# Altium PCB SPEC-A7.PcbDoc (part 9 of 10)
Units mm, origin at the board's own origin, x right, y up, seen from the top; angles counter-clockwise.
Board outline 160 x 100 mm, 6 copper layers (Top Layer, L2, L3, L4, L5, Bottom Layer), stack 1.61 mm thick; 746 components, 489 nets, 2774 pads, 1740 vias.
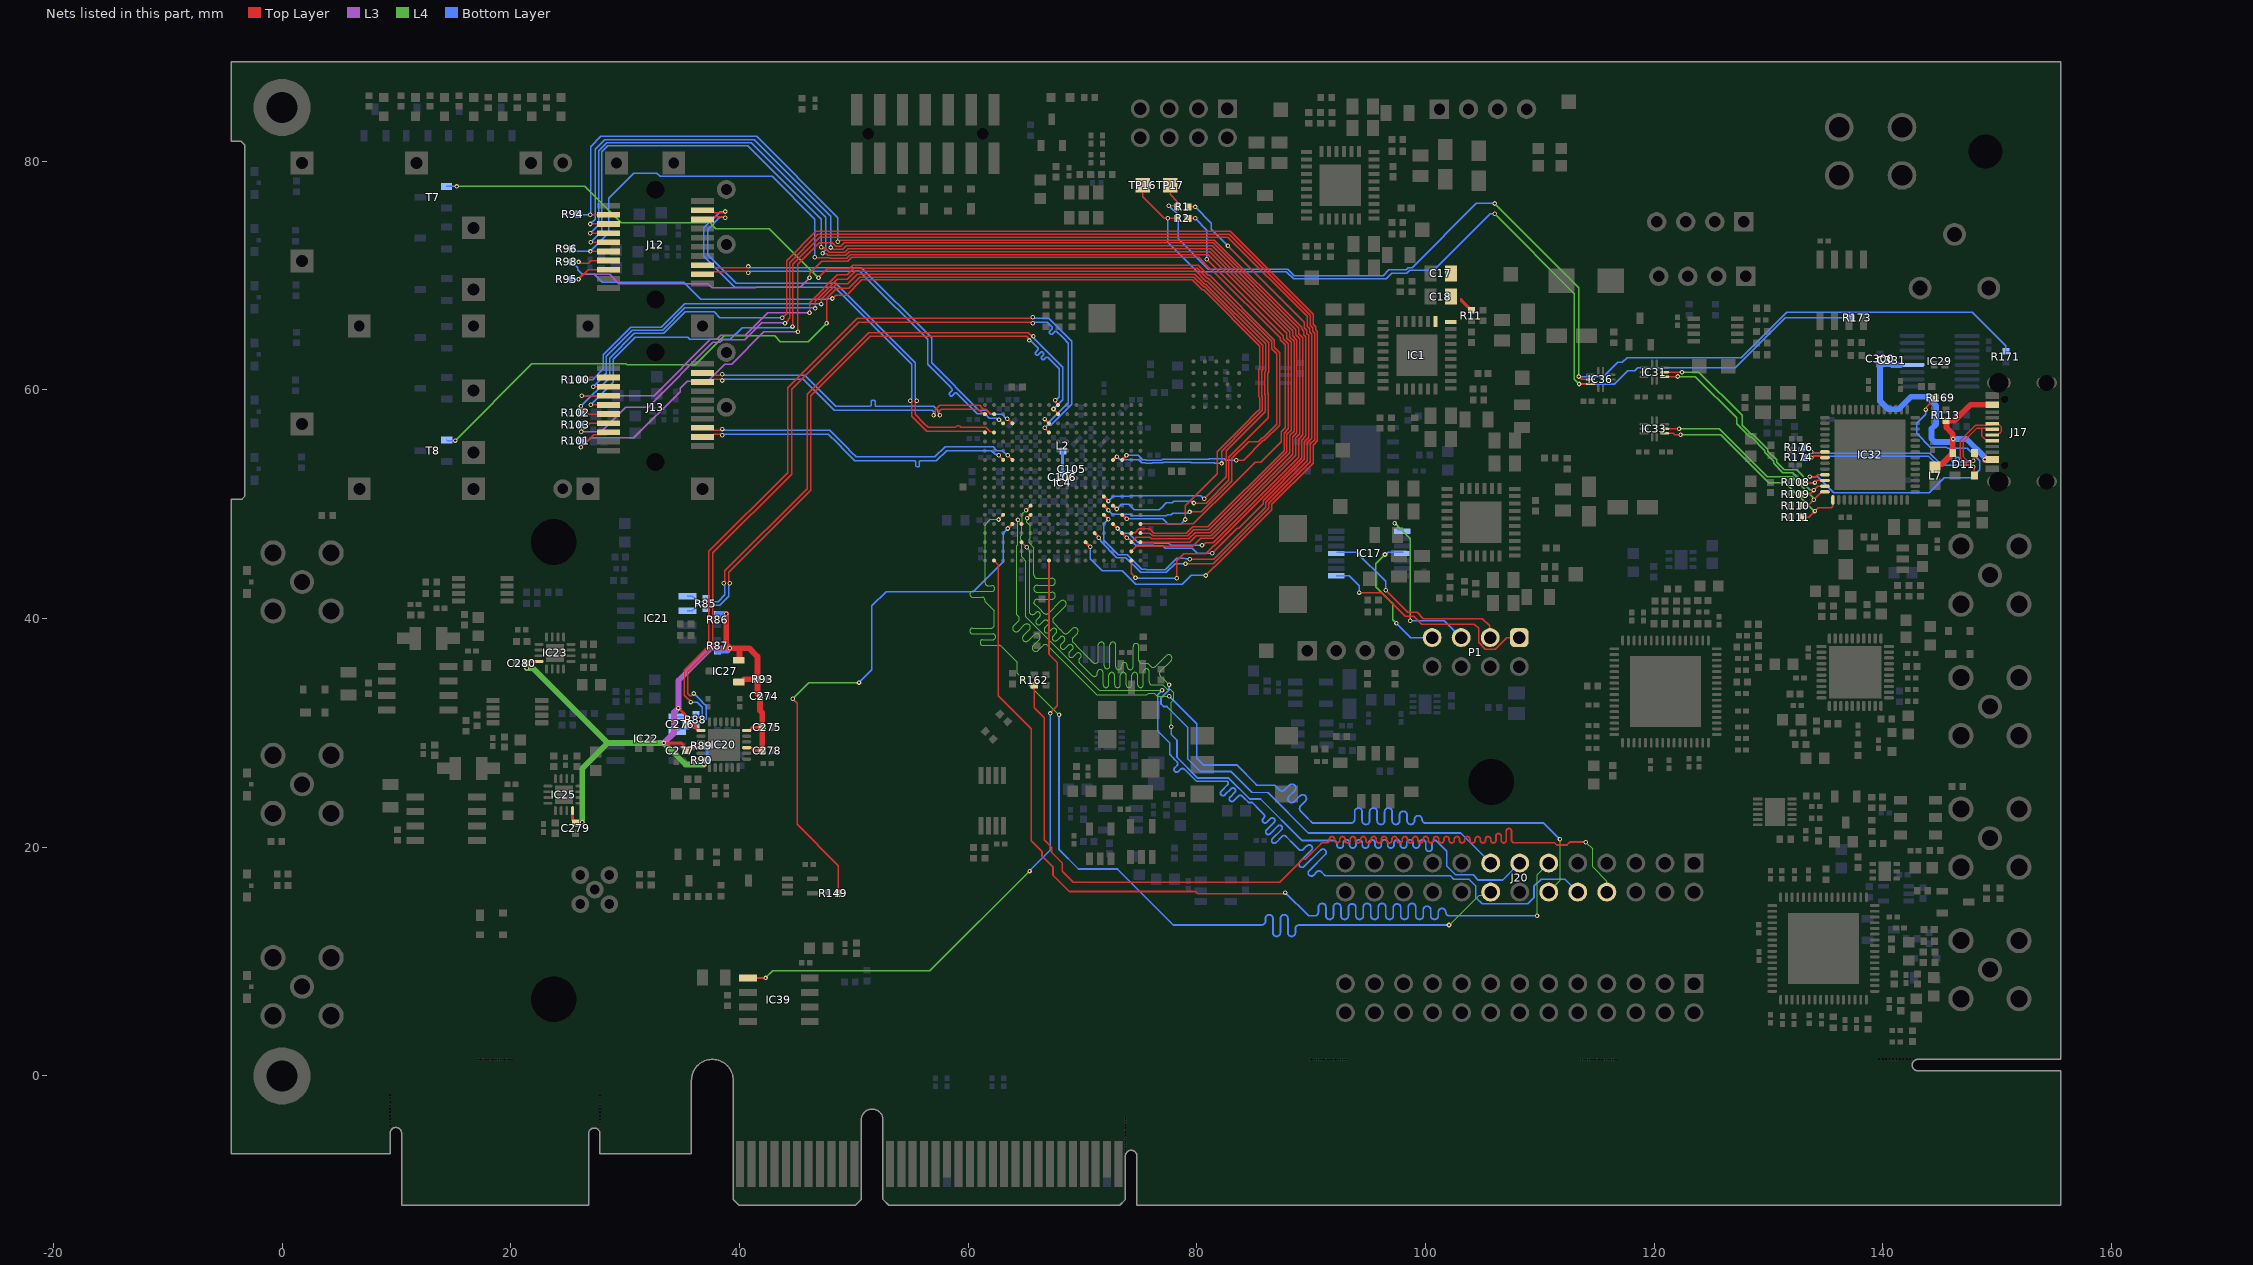
[diagram p13: the nets of this part, all layers, seen from the top]

## Via types
v1: diameter 0.4, hole 0.2, Top Layer to Bottom Layer, tented both sides, 1622 vias
v2: diameter 0.5, hole 0.2, Top Layer to Bottom Layer, tented both sides, 73 vias
v3: diameter 0.4, hole 0.2, Top Layer to Bottom Layer, 45 vias

## Nets (pads, with @x,y where several pads share a name; then routed paths per layer and width w, separated by ;. In a path a pad name is that pad's centre, name@x,y a point inside that pad or via, vN(x,y) a via of type N, cw(c..) or ccw(c..) an arc to the next point about the centre after c; other vN are vias at no path point) (continued)
RGMII_RXD3: J20.8 R162.2 | length 84.9
  Top Layer w0.155: R162.2@65.781,34.153 65.781,32.21 66.648,31.343 66.648,20.645 67.285,20.008 67.285,19.568 68.227,18.626 68.227,17.91 69.186,16.951 87.26,16.951 89.26,18.951 89.487,18.951 90.736,20.2 90.935,20.399 91.365,20.399 ccw(c91.365,20.626) 91.592,20.626 91.592,20.705 cw(c91.82,20.705) 92.047,20.705 92.047,20.611 ccw(c92.275,20.611) 92.502,20.611 92.502,20.705 cw(c92.73,20.705) 92.957,20.705 92.957,20.611 ccw(c93.185,20.611) 93.412,20.611 93.412,20.705 cw(c93.64,20.705) 93.867,20.705 93.867,20.611 ccw(c94.095,20.611) 94.322,20.611 94.322,20.705 cw(c94.55,20.705) 94.777,20.705 94.777,20.611 ccw(c95.005,20.611) 95.232,20.611 95.232,20.705 cw(c95.46,20.705) 95.687,20.705 95.687,20.611 ccw(c95.915,20.611) 96.142,20.611 96.142,20.705 cw(c96.37,20.705) 96.597,20.705 96.597,20.611 ccw(c96.825,20.611) 97.052,20.611 97.052,20.705 cw(c97.28,20.705) 97.507,20.705 97.507,20.611 ccw(c97.735,20.611) 97.962,20.611 97.962,20.705 cw(c98.19,20.705) 98.417,20.705 98.417,20.611 ccw(c98.645,20.611) 98.872,20.611 98.872,20.705 cw(c99.1,20.705) 99.327,20.705 99.327,20.611 ccw(c99.555,20.611) 99.782,20.611 99.782,20.705 cw(c100.01,20.705) 100.237,20.705 100.237,20.611 ccw(c100.465,20.611) 100.692,20.611 100.692,20.705 cw(c100.92,20.705) 101.147,20.705 101.147,20.611 ccw(c101.375,20.611) 101.602,20.611 101.602,20.705 cw(c101.83,20.705) 102.057,20.705 102.057,20.611 ccw(c102.285,20.611) 102.512,20.611 102.512,20.705 cw(c102.74,20.705) 102.967,20.705 102.967,20.611 ccw(c103.195,20.611) 103.422,20.611 103.422,20.705 cw(c103.65,20.705) 103.877,20.705 103.877,20.611 ccw(c104.105,20.611) 104.332,20.611 104.332,20.705 cw(c104.56,20.705) 104.787,20.705 104.787,20.611 ccw(c105.015,20.611) 105.242,20.611 105.242,20.705 cw(c105.47,20.705) 105.697,20.705 105.697,20.611 ccw(c105.925,20.611) 106.152,20.611 106.152,20.979 cw(c106.38,20.979) 106.607,20.979 106.607,20.611 ccw(c106.835,20.611) 107.062,20.611 107.062,21.42 cw(c107.29,21.42) 107.517,21.42 107.517,20.626 ccw(c107.745,20.626) 107.745,20.399 108.277,20.399 111.272,20.399 111.471,20.2 112.36,20.2 112.612,20.451 v1(114.005,20.451)
  L4 w0.105: v1(114.005,20.451) 114.6,19.857 114.6,18.3 115.851,17.049 J20.8@115.851,16.081
RGMII_TX_CLK: IC4.N3 J20.16 | length 91.1
  Top Layer w0.155: v1(62.655,48.666) IC4.N3@63.064,49.076
  L4 w0.105: v1(62.655,48.666) 61.916,48.666 61.473,48.224 61.473,43.853 61.473,43.133 ccw(c61.726,43.133) 61.726,42.88 62.074,42.88 cw(c62.074,42.628) 62.327,42.628 cw(c62.074,42.628) 62.074,42.375 60.399,42.375 ccw(c60.399,42.123) 60.147,42.123 ccw(c60.399,42.123) 60.399,41.87 61.221,41.87 cw(c61.221,41.618) 61.473,41.618 61.473,41.565 61.473,41.476 62.273,40.676 62.273,39.922 62.273,39.419 cw(c62.021,39.419) 62.021,39.167 60.392,39.167 ccw(c60.392,38.914) 60.392,38.662 62.142,38.662 cw(c62.142,38.409) 62.394,38.409 cw(c62.142,38.409) 62.142,38.157 61.294,38.157 ccw(c61.294,37.904) 61.042,37.904 ccw(c61.294,37.904) 61.294,37.652 62.631,37.652 cw(c62.631,37.221) 62.936,37.526 62.988,37.473 64.298,36.163 64.298,35.235 v1@67.941,31.592 ; v1(102.05,13.2) 104.675,15.826 105.436,15.826 J20.16@105.691,16.081
  Bottom Layer w0.155: v1(67.95,31.6) 67.95,19.8 69.65,18.1 73.05,18.1 77.95,13.2 84.6,13.2 85.666,13.2 ccw(c85.666,13.527) 85.994,13.527 85.994,13.769 cw(c86.321,13.769) 86.649,13.769 86.649,12.533 ccw(c86.976,12.533) 87.304,12.533 87.304,13.769 cw(c87.631,13.769) 87.959,13.769 87.959,12.533 ccw(c88.286,12.533) 88.614,12.533 88.614,12.872 cw(c88.941,12.872) 88.941,13.2 89.019,13.2 v1(102.05,13.2)
RGMII_TX_EN: IC4.N6 J20.15 | length 88.7
  Top Layer w0.155: v1(65.152,48.764) IC4.N6@65.464,49.076
  L4 w0.105: v1(65.152,48.764) 65.123,48.735 65.123,48.439 65.431,48.131 65.431,47.034 65.342,46.945 65.342,46.616 65.752,46.206 65.752,44.379 65.752,43.817 ccw(c66.054,43.817) 66.054,43.515 67.328,43.515 cw(c67.328,43.213) 67.631,43.213 cw(c67.328,43.212) 67.328,42.91 66.031,42.91 ccw(c66.031,42.608) 65.728,42.608 ccw(c66.031,42.607) 66.031,42.305 67.328,42.305 cw(c67.328,42.003) 67.631,42.003 cw(c67.328,42.002) 67.328,41.7 66.054,41.7 ccw(c66.054,41.398) 65.752,41.398 65.752,41.339 66.199,40.891 66.572,40.518 66.609,40.481 ccw(c66.823,40.695) 67.037,40.481 68.054,41.497 cw(c68.267,41.283) 68.481,41.497 cw(c68.267,41.283) 68.481,41.069 67.465,40.053 ccw(c67.679,39.839) 67.465,39.625 68.004,39.087 68.041,39.05 68.287,38.803 68.324,38.766 ccw(c68.538,38.98) 68.752,38.766 69.105,39.119 cw(c69.319,38.905) 69.533,39.119 cw(c69.319,38.905) 69.533,38.691 69.18,38.338 ccw(c69.394,38.124) 69.18,37.91 69.432,37.659 69.469,37.621 70.52,36.57 70.995,36.095 71.137,36.095 ccw(c71.137,36.348) 71.389,36.348 71.389,37.7 cw(c71.642,37.7) 71.642,37.953 cw(c71.642,37.7) 71.894,37.7 71.894,35.868 ccw(c72.147,35.868) 72.147,35.616 ccw(c72.147,35.868) 72.399,35.868 72.399,37.7 cw(c72.652,37.7) 72.652,37.953 cw(c72.652,37.7) 72.904,37.7 72.904,35.787 ccw(c73.157,35.787) 73.157,35.534 ccw(c73.157,35.787) 73.409,35.787 73.409,35.896 cw(c73.662,35.896) 73.662,36.148 cw(c73.662,35.896) 73.914,35.896 73.914,35.787 ccw(c74.167,35.787) 74.167,35.534 ccw(c74.167,35.787) 74.419,35.787 74.419,37.556 cw(c74.672,37.556) 74.672,37.809 cw(c74.672,37.556) 74.924,37.556 74.924,36.348 ccw(c75.177,36.348) 75.177,36.095 75.682,36.095 75.734,36.043 75.916,35.862 75.953,35.825 ccw(c76.167,36.039) 76.381,35.825 77.31,36.754 cw(c77.524,36.54) 77.738,36.754 cw(c77.524,36.54) 77.738,36.326 76.809,35.397 ccw(c77.023,35.183) 76.809,34.969 77.192,34.586 77.229,34.549 77.56,34.218 v1(77.568,34.218)
  Bottom Layer w0.155: v1(77.568,34.218) 77.568,33.767 76.916,33.116 76.871,33.071 76.871,32.525 77.088,32.307 77.376,32.307 79.21,30.473 79.21,27.716 80.261,26.666 80.306,26.62 83.009,26.62 84.768,24.861 84.811,24.818 86.17,24.776 86.231,24.774 89.754,21.252 103.06,21.252 J20.15@105.691,18.621
RGMII_TXD0: IC4.M6 J20.10 | length 93.2
  Top Layer w0.155: v1(65.064,49.476) IC4.M6@65.464,49.876
  L4 w0.105: v1(65.064,49.476) 64.739,49.151 64.739,48.096 64.666,48.023 64.666,47.306 64.616,47.256 64.616,46.942 64.666,46.891 64.666,45.389 65.056,45 65.056,40.146 71.467,33.735 72.795,33.735 72.797,33.734 74.659,33.734 74.66,33.735 76.946,33.735 v1(76.955,33.726)
  Bottom Layer w0.155: v1(76.955,33.726) 76.583,33.327 76.583,30.166 77.629,29.12 77.629,28.12 77.912,27.838 77.967,27.783 77.981,27.768 77.981,27.749 78.258,27.472 cw(c78.097,27.311) 78.258,27.15 78.066,26.959 ccw(c78.227,26.798) 78.066,26.637 ccw(c78.227,26.798) 78.388,26.637 78.58,26.829 cw(c78.741,26.668) 78.901,26.829 78.956,26.774 79.964,25.766 82.094,25.766 82.666,25.766 82.669,25.764 cw(c82.508,25.603) 82.669,25.442 82.125,24.898 ccw(c82.286,24.737) 82.125,24.576 ccw(c82.286,24.737) 82.447,24.576 82.991,25.12 cw(c83.151,24.959) 83.312,25.12 cw(c83.151,24.959) 83.312,24.799 82.901,24.387 ccw(c83.062,24.226) 82.901,24.065 ccw(c83.062,24.226) 83.223,24.065 83.634,24.477 cw(c83.795,24.316) 83.956,24.477 84.011,24.422 84.522,23.911 84.826,23.911 85.529,23.208 85.852,22.885 cw(c85.691,22.724) 85.852,22.563 85.799,22.511 ccw(c85.96,22.35) 85.799,22.189 ccw(c85.96,22.35) 86.121,22.189 86.432,22.5 cw(c86.593,22.339) 86.753,22.5 cw(c86.593,22.339) 86.753,22.178 86.08,21.505 ccw(c86.241,21.344) 86.08,21.184 ccw(c86.241,21.344) 86.402,21.184 87.075,21.856 cw(c87.236,21.696) 87.397,21.856 cw(c87.236,21.696) 87.397,21.535 86.604,20.742 ccw(c86.765,20.581) 86.604,20.421 ccw(c86.765,20.581) 86.926,20.421 87.46,20.955 cw(c87.621,20.794) 87.782,20.955 87.837,20.9 88.465,20.272 88.924,19.813 ccw(c89.12,20.009) 89.316,19.813 89.625,20.122 cw(c89.821,19.926) 90.017,20.122 cw(c89.821,19.926) 90.017,19.729 89.012,18.724 ccw(c89.208,18.528) 89.012,18.332 ccw(c89.208,18.528) 89.404,18.332 90.831,19.758 cw(c91.027,19.562) 91.223,19.758 cw(c91.027,19.562) 91.223,19.365 89.81,17.953 ccw(c90.006,17.756) 89.81,17.56 ccw(c90.006,17.756) 90.203,17.56 90.493,17.851 cw(c90.69,17.655) 90.886,17.851 90.941,17.796 91.237,17.5 102.179,17.5 102.479,17.201 103.799,17.201 104.388,16.612 104.388,15.605 104.942,15.051 108.929,15.051 109.473,15.594 109.473,16.575 110.098,17.2 112.191,17.2 J20.10@113.311,16.081
RGMII_TXD1: IC4.V2 J20.11 | length 96.5
  Top Layer w0.155: IC4.V2@62.264,45.076 62.264,45.049 62.628,44.685 62.628,33.245 65.52,30.352 65.52,20.558 66.467,19.612 66.467,19.229 67.409,18.287 67.409,17.572 68.848,16.133 79.906,16.133 80.095,15.943 87.574,15.943 87.667,16.036 v1(87.734,16.036)
  L4 w0.105: v1(109.75,14.005) 109.75,17.6 J20.11@110.771,18.621
  Bottom Layer w0.155: v1(87.734,16.036) 89.765,14.005 90.222,14.005 90.299,14.005 ccw(c90.299,14.333) 90.627,14.333 90.627,14.761 cw(c90.954,14.761) 91.282,14.761 91.282,14.021 ccw(c91.609,14.021) 91.937,14.021 91.937,14.761 cw(c92.264,14.761) 92.592,14.761 92.592,14.021 ccw(c92.919,14.021) 93.247,14.021 93.247,14.724 cw(c93.574,14.724) 93.902,14.724 93.902,14.021 ccw(c94.229,14.021) 94.557,14.021 94.557,14.761 cw(c94.884,14.761) 95.212,14.761 95.212,14.021 ccw(c95.539,14.021) 95.867,14.021 95.867,14.761 cw(c96.194,14.761) 96.522,14.761 96.522,14.021 ccw(c96.849,14.021) 97.177,14.021 97.177,14.724 cw(c97.504,14.724) 97.832,14.724 97.832,14.021 ccw(c98.159,14.021) 98.487,14.021 98.487,14.761 cw(c98.814,14.761) 99.142,14.761 99.142,14.021 ccw(c99.469,14.021) 99.797,14.021 99.797,14.521 cw(c100.124,14.521) 100.452,14.521 100.452,14.021 ccw(c100.779,14.021) 101.107,14.021 101.107,14.333 cw(c101.434,14.333) 101.762,14.333 ccw(c102.089,14.333) 102.089,14.005 102.635,14.005 v1(109.75,14.005)
RGMII_TXD2: IC4.P5 J20.12 | length 91.1
  Top Layer w0.155: v1(64.349,48.649) 64.349,48.62 64.664,48.305 IC4.P5@64.664,48.276
  L4 w0.105: v1(64.349,48.649) 64.349,46.452 64.26,46.363 64.26,43.319 64.241,43.3 64.241,42.976 64.26,42.957 64.26,42.308 64.243,42.291 64.243,40.554 64.243,40.351 64.395,40.2 cw(c64.181,39.986) 64.395,39.772 63.977,39.355 ccw(c64.191,39.141) 63.977,38.927 ccw(c64.191,39.141) 64.405,38.927 64.923,39.445 cw(c65.137,39.231) 65.351,39.445 cw(c65.137,39.231) 65.351,39.017 64.833,38.499 ccw(c65.047,38.285) 64.833,38.071 ccw(c65.047,38.285) 65.261,38.071 65.779,38.59 cw(c65.993,38.376) 66.207,38.59 cw(c65.993,38.376) 66.207,38.162 65.688,37.643 ccw(c65.902,37.429) 65.688,37.216 ccw(c65.902,37.429) 66.116,37.216 66.534,37.633 cw(c66.748,37.419) 66.961,37.633 66.999,37.596 71.261,33.334 75.631,33.334 75.776,33.479 76.269,33.479 76.544,33.204 77.576,33.204 v1(77.589,33.216) ; J20.12@110.771,16.081 111.786,17.096 111.786,20.663 v1(111.75,20.7)
  Bottom Layer w0.155: v1(77.589,33.216) 79.995,30.809 79.995,27.768 80.564,27.199 83.47,27.199 85.173,25.496 85.216,25.452 86.823,25.417 86.867,25.373 87.17,25.07 87.225,25.015 ccw(c87.456,25.247) 87.688,25.015 88.092,25.419 cw(c88.323,25.187) 88.555,25.419 cw(c88.323,25.187) 88.555,24.956 88.056,24.457 ccw(c88.288,24.226) 88.056,23.994 ccw(c88.288,24.226) 88.52,23.994 89.018,24.493 cw(c89.25,24.261) 89.481,24.493 cw(c89.25,24.261) 89.481,24.03 89.077,23.626 ccw(c89.309,23.394) 89.077,23.162 89.665,22.575 89.72,22.52 90.128,22.112 93.391,22.112 93.468,22.112 ccw(c93.468,22.439) 93.796,22.439 93.796,23.101 cw(c94.123,23.101) 94.451,23.101 94.451,22.321 ccw(c94.778,22.321) 95.106,22.321 95.106,23.101 cw(c95.433,23.101) 95.761,23.101 95.761,22.321 ccw(c96.088,22.321) 96.416,22.321 96.416,23.101 cw(c96.743,23.101) 97.071,23.101 97.071,22.321 ccw(c97.398,22.321) 97.726,22.321 97.726,22.819 cw(c98.053,22.819) 98.381,22.819 98.381,22.321 ccw(c98.708,22.321) 99.036,22.321 99.036,22.439 cw(c99.363,22.439) 99.691,22.439 ccw(c100.018,22.439) 100.018,22.112 100.485,22.112 110.338,22.112 v1(111.75,20.7)
RGMII_TXD3: IC4.T5 J20.13 | length 90
  Top Layer w0.155: IC4.T5@64.664,46.676 v1(65.109,46.231) v1@65.146,46.194
  L4 w0.105: v1(65.109,46.231) 65.397,45.943 65.397,40.468 65.408,40.457 65.445,40.42 ccw(c65.623,40.598) 65.802,40.42 65.894,40.511 cw(c66.072,40.333) 66.251,40.511 cw(c66.072,40.333) 66.251,40.154 65.992,39.895 ccw(c66.17,39.717) 65.992,39.538 ccw(c66.17,39.717) 66.349,39.538 66.608,39.797 cw(c66.786,39.619) 66.965,39.797 cw(c66.786,39.619) 66.965,39.44 66.706,39.181 ccw(c66.885,39.003) 66.706,38.824 ccw(c66.885,39.003) 67.063,38.824 67.322,39.083 cw(c67.501,38.904) 67.679,39.083 cw(c67.501,38.904) 67.679,38.726 67.42,38.467 ccw(c67.599,38.288) 67.42,38.11 ccw(c67.599,38.288) 67.777,38.11 68.036,38.369 cw(c68.215,38.19) 68.393,38.369 cw(c68.215,38.19) 68.393,38.012 68.134,37.753 ccw(c68.313,37.574) 68.134,37.396 ccw(c68.313,37.574) 68.491,37.396 68.75,37.655 cw(c68.929,37.476) 69.107,37.655 cw(c68.929,37.476) 69.107,37.298 68.848,37.039 ccw(c69.027,36.86) 68.848,36.682 ccw(c69.027,36.86) 69.206,36.682 69.45,36.926 cw(c69.629,36.748) 69.807,36.926 cw(c69.629,36.748) 69.807,36.569 69.73,36.492 ccw(c69.908,36.313) 69.73,36.135 69.951,35.914 69.988,35.877 70.731,35.133 70.857,35.007 ccw(c71.036,35.186) 71.289,35.186 71.289,35.284 cw(c71.541,35.284) 71.541,35.536 cw(c71.541,35.284) 71.794,35.284 71.794,34.22 ccw(c72.046,34.22) 72.046,33.967 ccw(c72.046,34.22) 72.299,34.22 72.299,35.035 cw(c72.551,35.035) 72.551,35.287 cw(c72.551,35.035) 72.804,35.035 72.804,34.22 ccw(c73.056,34.22) 73.056,33.967 ccw(c73.056,34.22) 73.309,34.22 73.309,35.035 cw(c73.561,35.035) 73.561,35.287 cw(c73.561,35.035) 73.814,35.035 73.814,34.218 ccw(c74.066,34.218) 74.066,33.966 ccw(c74.066,34.218) 74.319,34.218 74.319,35.035 cw(c74.571,35.035) 74.571,35.287 cw(c74.571,35.035) 74.824,35.035 74.824,34.22 ccw(c75.076,34.22) 75.076,33.967 ccw(c75.076,34.22) 75.329,34.22 75.329,35.364 cw(c75.581,35.364) 75.581,35.616 cw(c75.581,35.364) 75.834,35.364 75.834,34.454 ccw(c76.086,34.454) 76.086,34.201 76.558,34.201 77.032,34.201 77.406,33.827 77.655,33.827 77.977,33.505 77.977,32.927 77.75,32.7 77.75,30.54 v1(77.76,30.531)
  Bottom Layer w0.155: v1(77.76,30.531) 77.75,30.521 77.75,29.859 78.263,29.346 78.263,27.865 80.08,26.049 82.783,26.049 84.614,24.217 85.562,24.217 89.179,20.6 91.581,20.6 91.967,20.6 cw(c91.967,20.322) 92.245,20.322 92.245,20.207 ccw(c92.522,20.207) 92.8,20.207 92.8,20.378 cw(c93.077,20.378) 93.355,20.378 93.355,20.207 ccw(c93.632,20.207) 93.91,20.207 93.91,20.378 cw(c94.187,20.378) 94.465,20.378 94.465,20.207 ccw(c94.742,20.207) 95.02,20.207 95.02,20.378 cw(c95.297,20.378) 95.575,20.378 95.575,20.207 ccw(c95.852,20.207) 96.13,20.207 96.13,20.378 cw(c96.407,20.378) 96.685,20.378 96.685,20.207 ccw(c96.962,20.207) 97.24,20.207 97.24,20.378 cw(c97.517,20.378) 97.795,20.378 97.795,20.207 ccw(c98.072,20.207) 98.35,20.207 98.35,20.378 cw(c98.627,20.378) 98.905,20.378 98.905,20.207 ccw(c99.182,20.207) 99.46,20.207 99.46,20.378 cw(c99.737,20.378) 100.015,20.378 100.015,19.928 ccw(c100.292,19.928) 100.57,19.928 100.57,20.322 cw(c100.847,20.322) 100.847,20.6 100.89,20.6 100.925,20.566 101.85,19.64 101.85,18.359 102.618,17.591 104.155,17.591 104.617,17.129 106.723,17.129 108.215,18.621 J20.13@108.231,18.621
RX: IC4.R16 R1.2 | length 47.2
  Top Layer w0.127: R1.2@79.22,76 v1@79.859,76 ; v1(81.35,45.7) 83.543,47.893 83.642,47.893 85.782,50.033 85.782,50.295 89.403,53.915 89.403,55.484 89.782,55.863 89.782,64.759 89.617,64.925 89.617,65.225 89.403,65.439 89.403,65.899 v1@82.689,72.613
  Top Layer w0.254: IC4.R16@73.464,47.476 73.464,47.47 73.872,47.062 v1(73.872,47.057)
  Bottom Layer w0.127: v1(73.872,47.057) 73.946,47.057 74.083,46.92 74.131,46.92 74.658,46.393 76.175,46.393 76.214,46.354 77.035,46.354 77.243,46.146 79.582,46.146 80.028,45.7 v1(81.35,45.7) ; v1@79.859,76 81.274,74.585 81.274,74.027 v1@82.689,72.613
  other v1: 82.712,72.607 79.85,76
RXD_USB: IC36.5 R2.1 R173.1 TP16.1 | length 84.4
  Top Layer w0.127: TP16.1@75.25,77.9 75.25,76.9 77.15,75 v1(77.45,75) R2.1@78.28,75 ; v1(113.425,60.512) IC36.5@114.411,60.512
  L4 w0.127: v1@106.04,75.39 113.015,68.414 113.015,60.921 v1(113.425,60.512)
  Bottom Layer w0.127: v1(77.45,75) 77.45,72.9 80.04,70.31 87.845,70.31 87.85,70.304 ; 87.85,70.3 88.45,69.7 96.55,69.7 97.05,70.2 98.35,70.2 98.596,70.446 100.718,70.446 105.672,75.4 v1(106.05,75.4) ; v1(113.425,60.512) 116.508,60.512 117.67,61.674 118.276,61.674 118.54,61.937 127.084,61.937 131.447,66.3 R173.1@137.28,66.3
SC_MISO: IC17.8 P1.5 | length 15.3
  L4 w0.127: v3(97.287,48.328) 98.65,46.965 v3(98.65,39.8)
  Bottom Layer w0.127: v3(97.287,48.328) 97.347,48.328 97.55,48.125 97.55,47.803 97.603,47.75 IC17.8@98.05,47.75 ; v3(98.65,39.8) 101.65,39.8 P1.5@103.11,38.34
SC_MOSI: IC17.4 P1.3 | length 17.5
  Top Layer w0.127: v3(96.52,42.488) 96.52,42.482 98.447,40.555 99.253,40.555 99.808,40 104.95,40 105.594,39.355 105.594,38.396 P1.3@105.65,38.34
  Bottom Layer w0.127: IC17.4@92.25,45.8 93.95,45.8 96.507,43.243 96.507,42.501 v3(96.52,42.488)
SC_SCLK: IC17.1 P1.1 | length 20.1
  Top Layer w0.127: v3(94.19,42.275) 96.145,42.275 98.23,40.19 98.966,40.19 99.657,39.5 104.275,39.5 104.634,39.141 104.634,37.919 105.229,37.324 106.07,37.324 107.086,38.34 P1.1@108.19,38.34
  Bottom Layer w0.127: IC17.1@92.177,43.741 93.308,43.741 94.19,42.859 v3(94.19,42.275)
SC_SSEL: IC17.11 P1.7 | length 12.4
  L4 w0.127: v3(96.45,45.6) 95.65,44.8 95.65,42.8 97.05,41.4 97.075,41.4 97.15,41.326 97.15,39.9 v3(97.45,39.6)
  Bottom Layer w0.127: v3(96.45,45.6) 96.524,45.6 96.724,45.8 IC17.11@98.05,45.8 ; v3(97.45,39.6) 98.71,38.34 P1.7@100.57,38.34
SFP0_DISABLE: IC4.U17 J12.3 | length 107.8
  Top Layer w0.127: v1(26.952,74.507) J12.3@28.55,74.507 ; v1(47.979,72.449) 48.053,72.449 48.2,72.301 49.044,72.301 49.339,72.596 81.322,72.596 88.641,65.277 88.641,64.823 89.006,64.458 89.006,56.165 88.641,55.8 88.641,54.274 81.372,47.006 80.323,47.006 79.624,46.307 74.695,46.307 IC4.U17@74.264,45.876
  Bottom Layer w0.127: v1(26.952,74.507) 27.374,74.93 27.374,81.026 28.215,81.867 41.289,81.867 47.979,75.177 v1(47.979,72.449)
SFP0_FAULT: IC4.V17 J12.2 R94.1 | length 112.7
  Top Layer w0.127: v1(26.957,75.307) J12.2@28.55,75.307 ; v1(48.587,72.945) 48.66,72.945 48.819,73.104 81.533,73.104 89.149,65.488 89.149,65.334 89.363,65.12 89.363,64.82 89.528,64.654 89.528,55.969 89.149,55.589 89.149,54.02 81.517,46.388 81.485,46.388 80.774,45.677 78.867,45.677 78.227,45.037 v1(78.227,43.522) ; IC4.V17@74.264,45.076 74.264,43.947 v1(74.63,43.58)
  Bottom Layer w0.127: R94.1@25.881,75.379 25.953,75.307 26.99,75.307 26.99,81.276 27.875,82.161 41.489,82.161 48.587,75.063 v1(48.587,72.945) ; v1(74.63,43.58) 74.675,43.536 75.255,43.536 75.267,43.523 v1(78.227,43.522) v1(78.227,43.522)
SFP0_I_N: IC4.D1 J12.19 | length 40.7
  Top Layer w0.127: J12.19@36.75,75.707 36.936,75.521 37.773,75.521 37.822,75.472 37.94,75.472 37.954,75.486 38.56,75.486 38.672,75.598 v1(38.746,75.598) ; v1@55.052,59.058 55.052,57.712 55.779,56.985 56.384,56.38 61.299,56.38 61.403,56.276 IC4.D1@61.464,56.276
  Bottom Layer w0.127: v1(38.746,75.598) 38.33,75.598 36.892,74.159 36.892,71.686 39.587,68.99 48.292,68.99 48.357,68.926 50.016,67.267 55.052,62.231 55.052,59.244 54.94,59.132 v1(54.94,59.058)
SFP0_I_P: IC4.D2 J12.18 | length 40.7
  Top Layer w0.127: J12.18@36.75,74.907 37.5,74.907 37.735,75.142 38.077,75.142 38.091,75.155 38.56,75.155 38.672,75.044 v1(38.746,75.044) ; v1@55.382,59.058 55.382,57.849 56.129,57.102 56.52,56.71 57.35,56.71 58.888,56.71 58.963,56.785 58.963,56.8 59.028,56.865 59.224,56.865 59.29,56.8 59.29,56.785 59.364,56.71 59.755,56.71 61.546,56.71 61.938,56.318 62.221,56.318 IC4.D2@62.264,56.276
  Bottom Layer w0.127: v1(38.746,75.044) 38.697,75.092 38.292,75.092 37.222,74.022 37.222,71.823 38.629,70.416 39.724,69.321 48.429,69.321 55.382,62.368 55.382,61.108 55.382,59.244 55.494,59.132 v1(55.494,59.058)
SFP0_LOSE: IC4.P18 J12.8 R95.1 | length 94.5
  Top Layer w0.127: v1(25.919,69.664) 26.762,70.507 J12.8@28.55,70.507 ; v1(46.126,69.811) 46.155,69.84 46.155,70.201 47.188,71.235 49.462,71.235 49.807,71.58 80.156,71.58 81.215,70.521 81.321,70.521 87.29,64.552 87.29,64.378 87.736,63.932 87.736,56.691 87.371,56.326 87.371,55.467 85.584,53.68 85.099,53.68 83.311,51.893 83.311,51.89 79.697,48.276 IC4.P18@75.064,48.276
  L3 w0.127: v1(25.919,69.664) 26.352,70.098 28.652,70.098 29.46,69.29 37.229,69.29 37.602,68.917 41.427,68.917 41.501,68.99 45.325,68.99 46.126,69.791 v1(46.126,69.811)
  Bottom Layer w0.127: R95.1@25.373,69.664 v1(25.919,69.664)
SFP0_MODE0: IC4.R18 J12.6 R96.1 | length 103.4
  Top Layer w0.127: v1(26.965,72.107) J12.6@28.55,72.107 ; v1(46.571,71.589) 46.621,71.539 47.924,71.539 47.932,71.531 49.399,71.531 49.702,71.834 81.007,71.834 87.879,64.962 87.879,64.507 88.244,64.142 88.244,56.48 87.879,56.115 87.879,54.59 81.057,47.768 79.731,47.768 79.192,47.228 76.14,47.228 75.892,47.476 IC4.R18@75.064,47.476
  Bottom Layer w0.127: R96.1@25.373,72.331 25.597,72.107 v1(26.965,72.107) 28.586,73.728 28.586,76.776 30.745,78.935 32.777,78.935 33.052,78.659 42.845,78.659 46.571,74.934 v1(46.571,71.589)
SFP0_MODE1: IC4.T18 J12.5 | length 107.1
  Top Layer w0.127: v1(27.003,72.907) J12.5@28.55,72.907 ; v1@47.142,72.409 47.142,72.342 v1@47.262,72.342 ; v1(47.142,72.461) v1@47.194,72.409 ; IC4.T18@75.064,46.676 79.358,46.676 79.942,47.26 81.267,47.26 88.387,54.379 88.387,55.905 88.752,56.27 88.752,64.353 88.387,64.718 88.387,65.172 81.217,72.342 49.95,72.342 49.491,72.342 49.197,72.047 47.828,72.047 47.769,72.106 47.533,72.342 ; v1@47.194,72.409 47.466,72.409 47.533,72.342 ; v1@47.194,72.409 v1@47.262,72.342 ; v1@47.262,72.342 47.533,72.342